# Altium PCB LH-RAM_OB_USB_A_V1.0(DY)20170519.PcbDoc (part 1 of 3) (continued)
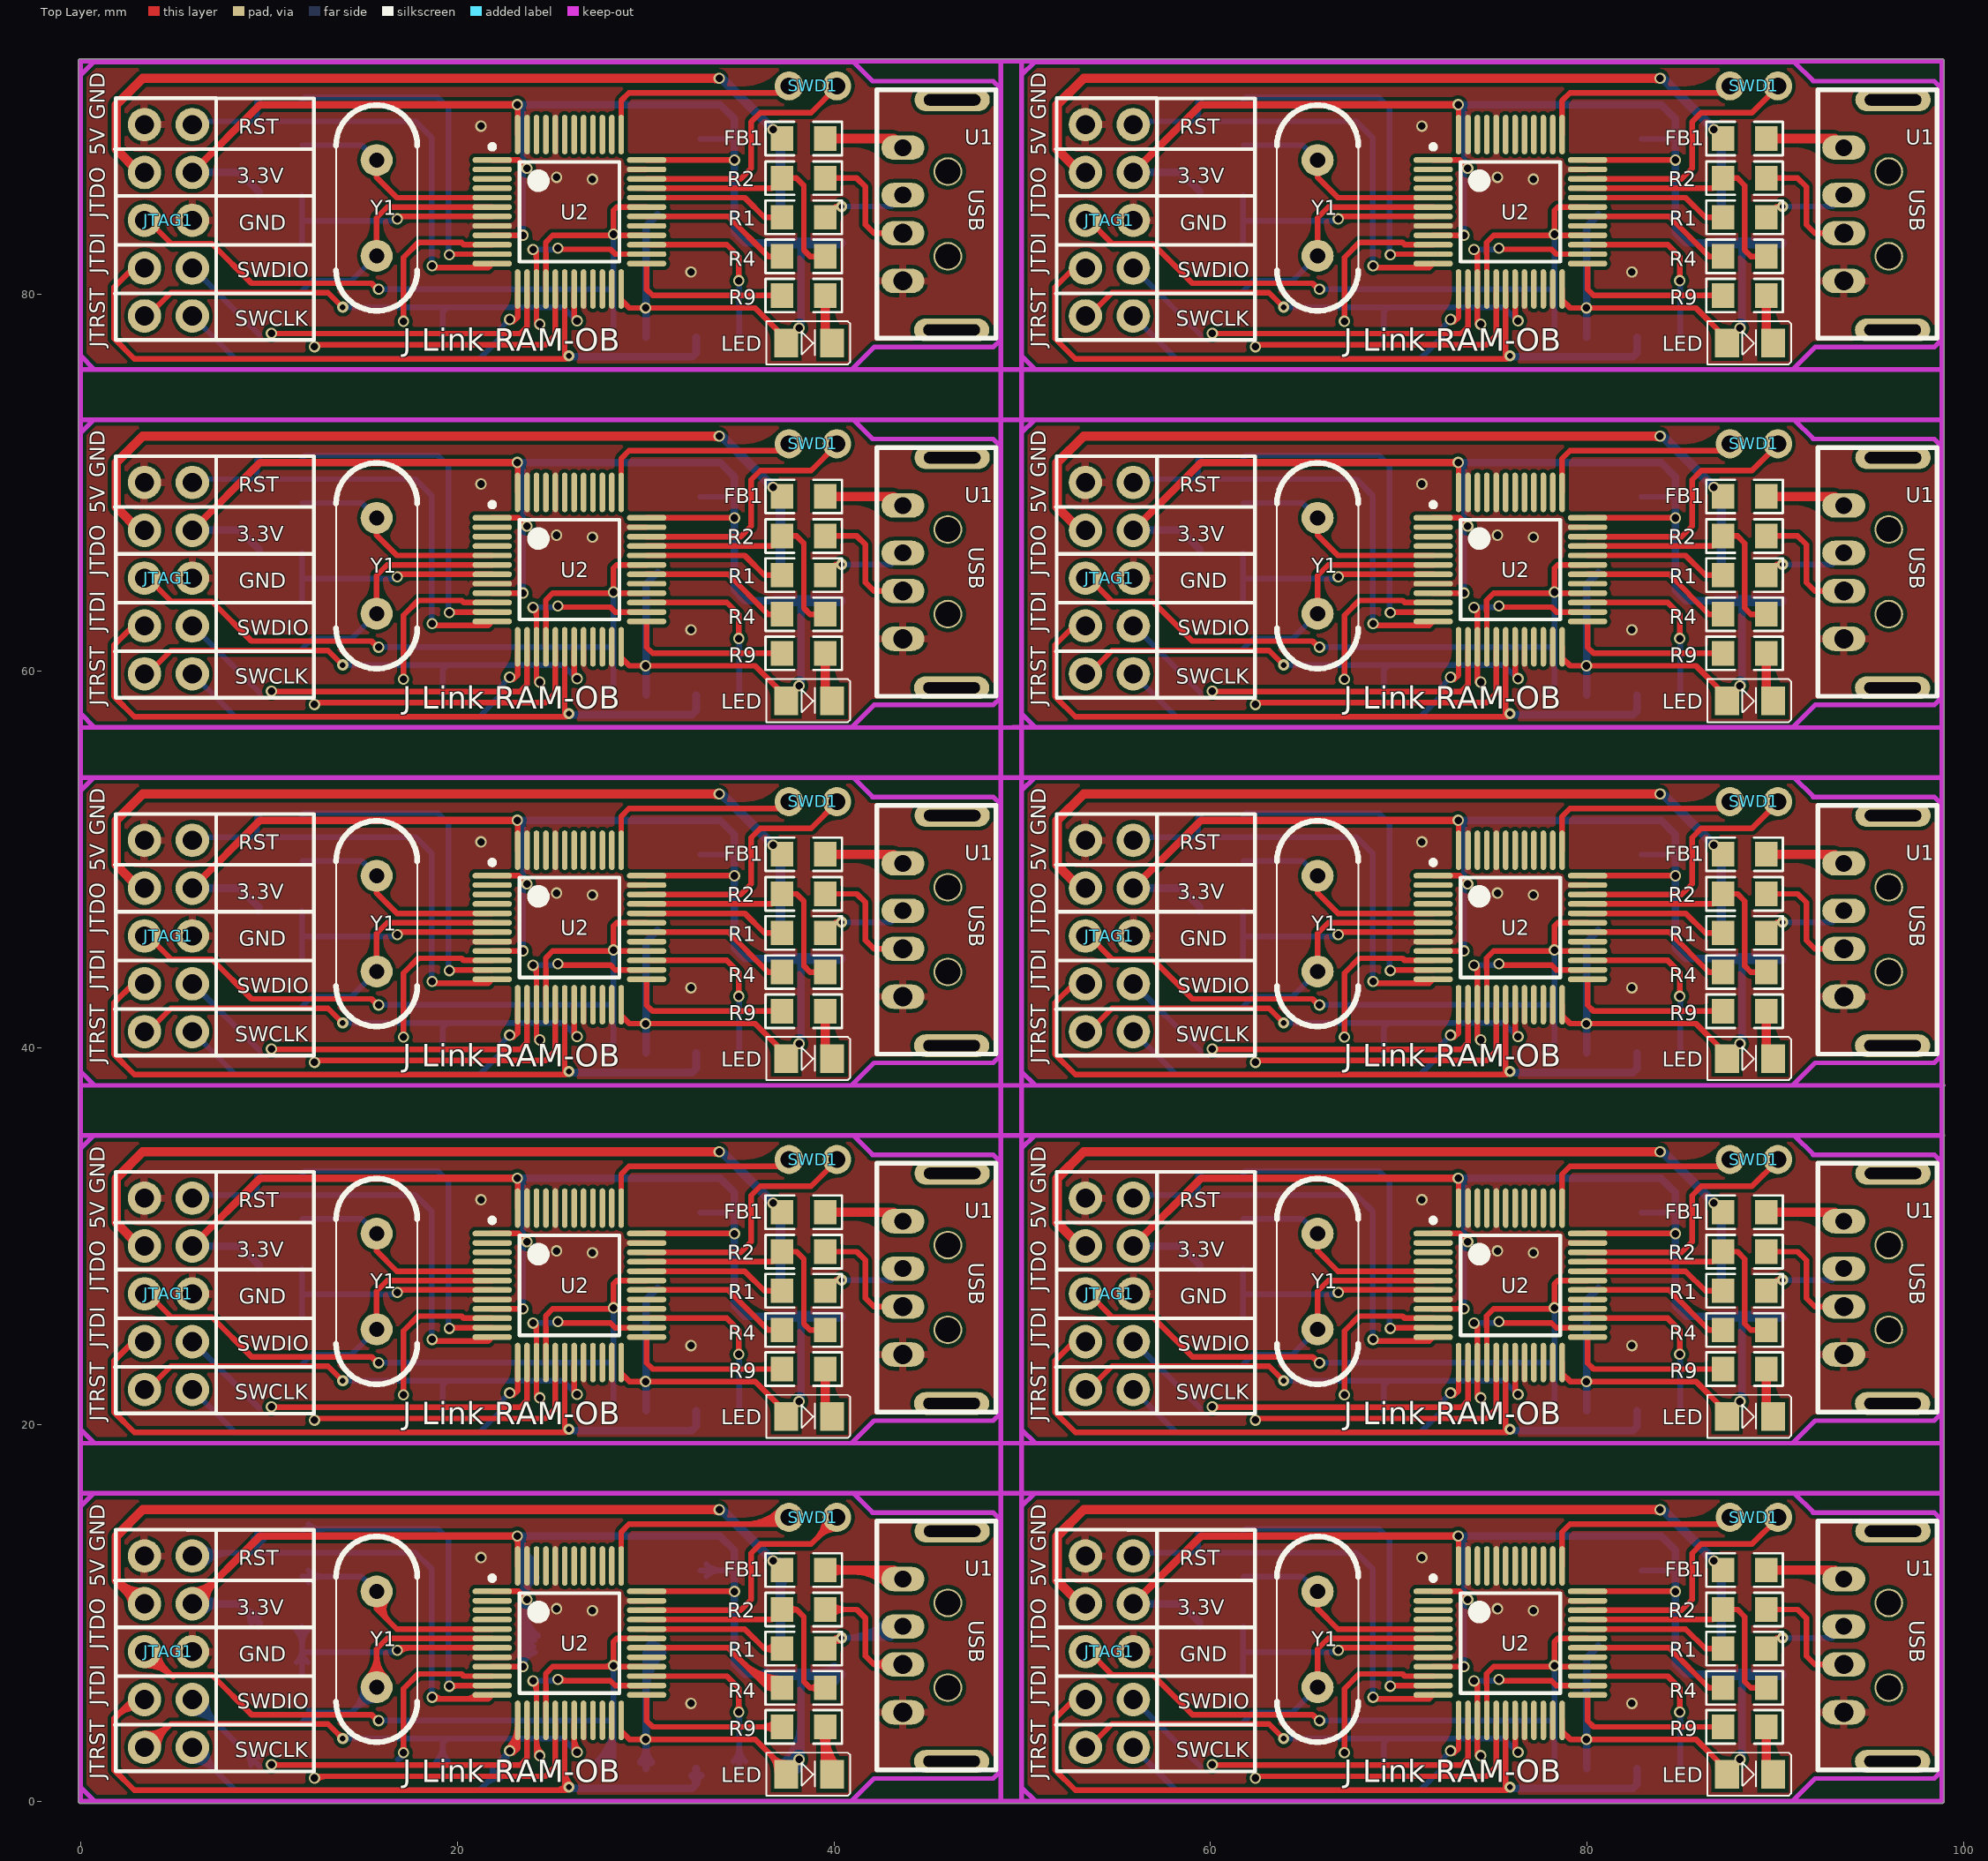
[diagram p0: Top Layer view]
## Components (designator, comment, footprint, x,y, rotation, side; value= is the part's Value field where it differs from the comment) (continued)
LED "LED0" LED0805 37.465,1.422 r0 top (schematic designator D1)
R1 "22R" R0805 89.502,8.09 r180 top
R1 "22R" R0805 89.502,27.089 r180 top
R1 "22R" R0805 89.502,46.089 r180 top
R1 "22R" R0805 89.502,65.089 r180 top
R1 "22R" R0805 89.502,84.089 r180 top
R1 "22R" R0805 39.54,84.089 r180 top
R1 "22R" R0805 39.54,65.089 r180 top
R1 "22R" R0805 39.54,46.089 r180 top
R1 "22R" R0805 39.54,27.089 r180 top
R1 "22R" R0805 39.54,8.09 r180 top
R2 "22R" R0805 89.502,10.166 r180 top
R2 "22R" R0805 89.502,29.166 r180 top
R2 "22R" R0805 89.502,48.166 r180 top
R2 "22R" R0805 89.502,67.166 r180 top
R2 "22R" R0805 89.502,86.166 r180 top
R2 "22R" R0805 39.54,86.166 r180 top
R2 "22R" R0805 39.54,67.166 r180 top
R2 "22R" R0805 39.54,48.166 r180 top
R2 "22R" R0805 39.54,29.166 r180 top
R2 "22R" R0805 39.54,10.166 r180 top
R3 "100R" R0805 66.878,1.727 r0 bottom
R3 "100R" R0805 66.878,20.726 r0 bottom
R3 "100R" R0805 66.878,39.726 r0 bottom
R3 "100R" R0805 66.878,58.726 r0 bottom
R3 "100R" R0805 66.878,77.726 r0 bottom
R3 "100R" R0805 16.916,77.726 r0 bottom
R3 "100R" R0805 16.916,58.726 r0 bottom
R3 "100R" R0805 16.916,39.726 r0 bottom
R3 "100R" R0805 16.916,20.726 r0 bottom
R3 "100R" R0805 16.916,1.727 r0 bottom
R4 "2K" R0805 87.216,6.013 r0 top
R4 "2K" R0805 87.216,25.013 r0 top
R4 "2K" R0805 87.216,44.013 r0 top
R4 "2K" R0805 87.216,63.013 r0 top
R4 "2K" R0805 87.216,82.013 r0 top
R4 "2K" R0805 37.254,82.013 r0 top
R4 "2K" R0805 37.254,63.013 r0 top
R4 "2K" R0805 37.254,44.013 r0 top
R4 "2K" R0805 37.254,25.013 r0 top
R4 "2K" R0805 37.254,6.013 r0 top
R5 "100R" R0805 61.747,14.326 r180 bottom
R5 "100R" R0805 61.747,33.325 r180 bottom
R5 "100R" R0805 61.747,52.325 r180 bottom
R5 "100R" R0805 61.747,71.325 r180 bottom
R5 "100R" R0805 61.747,90.325 r180 bottom
R5 "100R" R0805 11.786,90.325 r180 bottom
R5 "100R" R0805 11.786,71.325 r180 bottom
R5 "100R" R0805 11.786,52.325 r180 bottom
R5 "100R" R0805 11.786,33.325 r180 bottom
R5 "100R" R0805 11.786,14.326 r180 bottom
R6 "100R" R0805 74.574,1.727 r180 bottom
R6 "100R" R0805 74.574,20.726 r180 bottom
R6 "100R" R0805 74.574,39.726 r180 bottom
R6 "100R" R0805 74.574,58.726 r180 bottom
R6 "100R" R0805 74.574,77.726 r180 bottom
R6 "100R" R0805 24.613,77.726 r180 bottom
R6 "100R" R0805 24.613,58.726 r180 bottom
R6 "100R" R0805 24.613,39.726 r180 bottom
R6 "100R" R0805 24.613,20.726 r180 bottom
R6 "100R" R0805 24.613,1.727 r180 bottom
R7 "100R" R0805 61.747,1.854 r180 bottom
R7 "100R" R0805 61.747,20.853 r180 bottom
R7 "100R" R0805 61.747,39.853 r180 bottom
R7 "100R" R0805 61.747,58.853 r180 bottom
R7 "100R" R0805 61.747,77.853 r180 bottom
R7 "100R" R0805 11.786,77.853 r180 bottom
R7 "100R" R0805 11.786,58.853 r180 bottom
R7 "100R" R0805 11.786,39.853 r180 bottom
R7 "100R" R0805 11.786,20.853 r180 bottom
R7 "100R" R0805 11.786,1.854 r180 bottom
R8 "10K" R0805 61.722,9.449 r180 bottom
R8 "10K" R0805 61.722,28.448 r180 bottom
R8 "10K" R0805 61.722,47.448 r180 bottom
R8 "10K" R0805 61.722,66.448 r180 bottom
R8 "10K" R0805 61.722,85.448 r180 bottom
R8 "10K" R0805 11.76,85.448 r180 bottom
R8 "10K" R0805 11.76,66.448 r180 bottom
R8 "10K" R0805 11.76,47.448 r180 bottom
R8 "10K" R0805 11.76,28.448 r180 bottom
R8 "10K" R0805 11.76,9.449 r180 bottom
R9 "330R" R0805 87.216,3.937 r0 top
R9 "330R" R0805 87.216,22.936 r0 top
R9 "330R" R0805 87.216,41.936 r0 top
R9 "330R" R0805 87.216,60.936 r0 top
R9 "330R" R0805 87.216,79.936 r0 top
R9 "330R" R0805 37.254,79.936 r0 top
R9 "330R" R0805 37.254,60.936 r0 top
R9 "330R" R0805 37.254,41.936 r0 top
R9 "330R" R0805 37.254,22.936 r0 top
R9 "330R" R0805 37.254,3.937 r0 top
R10 "100R" R0805 84.938,1.727 r180 bottom
R10 "100R" R0805 84.938,20.726 r180 bottom
R10 "100R" R0805 84.938,39.726 r180 bottom
R10 "100R" R0805 84.938,58.726 r180 bottom
R10 "100R" R0805 84.938,77.726 r180 bottom
R10 "100R" R0805 34.976,77.726 r180 bottom
R10 "100R" R0805 34.976,58.726 r180 bottom
R10 "100R" R0805 34.976,39.726 r180 bottom
R10 "100R" R0805 34.976,20.726 r180 bottom
R10 "100R" R0805 34.976,1.727 r180 bottom
R11 "10K" R0805 77.699,1.727 r0 bottom
R11 "10K" R0805 77.699,20.726 r0 bottom
R11 "10K" R0805 77.699,39.726 r0 bottom
R11 "10K" R0805 77.699,58.726 r0 bottom
R11 "10K" R0805 77.699,77.726 r0 bottom
R11 "10K" R0805 27.737,77.726 r0 bottom
R11 "10K" R0805 27.737,58.726 r0 bottom
R11 "10K" R0805 27.737,39.726 r0 bottom
R11 "10K" R0805 27.737,20.726 r0 bottom
R11 "10K" R0805 27.737,1.727 r0 bottom
SWD1 "SWD" F2.54-2P 90.119,15.062 r180 top
SWD1 "SWD" F2.54-2P 90.119,34.061 r180 top
SWD1 "SWD" F2.54-2P 90.119,53.061 r180 top
SWD1 "SWD" F2.54-2P 90.119,72.061 r180 top
SWD1 "SWD" F2.54-2P 90.119,91.061 r180 top
SWD1 "SWD" F2.54-2P 40.157,91.061 r180 top
SWD1 "SWD" F2.54-2P 40.157,72.061 r180 top
SWD1 "SWD" F2.54-2P 40.157,53.061 r180 top
SWD1 "SWD" F2.54-2P 40.157,34.061 r180 top
SWD1 "SWD" F2.54-2P 40.157,15.062 r180 top
U1 "USB" USB_公 111.938,9.779 r180 top
U1 "USB" USB_公 111.938,28.778 r180 top
U1 "USB" USB_公 111.938,47.778 r180 top
U1 "USB" USB_公 111.938,66.778 r180 top
U1 "USB" USB_公 111.938,85.778 r180 top
U1 "USB" USB_公 61.976,85.778 r180 top
U1 "USB" USB_公 61.976,66.778 r180 top
U1 "USB" USB_公 61.976,47.778 r180 top
U1 "USB" USB_公 61.976,28.778 r180 top
U1 "USB" USB_公 61.976,9.779 r180 top
U2 "STM32F103C8" LQFP48_M 75.921,8.382 r0 top locked
U2 "STM32F103C8" LQFP48_M 75.921,27.381 r0 top locked
U2 "STM32F103C8" LQFP48_M 75.921,46.381 r0 top locked
U2 "STM32F103C8" LQFP48_M 75.921,65.381 r0 top locked
U2 "STM32F103C8" LQFP48_M 75.921,84.381 r0 top locked
U2 "STM32F103C8" LQFP48_M 25.959,84.381 r0 top locked
U2 "STM32F103C8" LQFP48_M 25.959,65.381 r0 top locked
U2 "STM32F103C8" LQFP48_M 25.959,46.381 r0 top locked
U2 "STM32F103C8" LQFP48_M 25.959,27.381 r0 top locked
U2 "STM32F103C8" LQFP48_M 25.959,8.382 r0 top locked
Y1 "8MHz" HC_49_11.2*4.7*3.6 65.684,11.125 r270 top
Y1 "8MHz" HC_49_11.2*4.7*3.6 65.684,30.124 r270 top
Y1 "8MHz" HC_49_11.2*4.7*3.6 65.684,49.124 r270 top
Y1 "8MHz" HC_49_11.2*4.7*3.6 65.684,68.124 r270 top
Y1 "8MHz" HC_49_11.2*4.7*3.6 65.684,87.124 r270 top
Y1 "8MHz" HC_49_11.2*4.7*3.6 15.723,87.124 r270 top
Y1 "8MHz" HC_49_11.2*4.7*3.6 15.723,68.124 r270 top
Y1 "8MHz" HC_49_11.2*4.7*3.6 15.723,49.124 r270 top
Y1 "8MHz" HC_49_11.2*4.7*3.6 15.723,30.124 r270 top
Y1 "8MHz" HC_49_11.2*4.7*3.6 15.723,11.125 r270 top

## Footprints (in the part's own frame and the unit in brackets; to place one, negate y for a bottom-side part, rotate by r counter-clockwise, add the part's x,y. Pads: shape width x height; smd on the part's side, far side on the other; paste and mask are expansions set on the pad)
C0805 [mm]
  rect 1.2x1.3 smd: 1(2.29,-0.019) 2(0.004,-0.019)
  silkscreen extent -0.89,-0.89 3.17,0.89
F2.54-2*5 [mil]
  round 70 hole 40: 1(0,0) 2(0,100) 3(100,0) 4(100,100) 5(200,0) 6(200,100) 7(300,0) 8(300,100) 9(400,0) 10(400,100)
  silkscreen extent -50,-50 455,160
F2.54-2P [mil]
  oval 60x60.63 hole 35: 1(0,0) 2(100,0)
HC_49_11.2*4.7*3.6 [mm]
  round 1.7 hole 0.8: 1(5.08,0) 2(0,0)
  silkscreen extent -2.92,-2.16 8,2.16
LED0805 [mil]
  rect 50x60 smd: 1(0,0) 2(96,0)
  silkscreen extent -41,-45 134,45
LQFP48_M [mm]
  oval 2.1x0.3 smd: 1(-4.1,2.75) 2(-4.1,2.25) 3(-4.1,1.75) 4(-4.1,1.25) 5(-4.1,0.75) 6(-4.1,0.25) 7(-4.1,-0.25) 8(-4.1,-0.75) 9(-4.1,-1.25) 10(-4.1,-1.75) 11(-4.1,-2.25) 12(-4.1,-2.75) 25(4.1,-2.75) 26(4.1,-2.25) 27(4.1,-1.75) 28(4.1,-1.25) 29(4.1,-0.75) 30(4.1,-0.25) 31(4.1,0.25) 32(4.1,0.75) 33(4.1,1.25) 34(4.1,1.75) 35(4.1,2.25) 36(4.1,2.75)
  oval 0.3x2.1 smd: 13(-2.75,-4.1) 14(-2.25,-4.1) 15(-1.75,-4.1) 16(-1.25,-4.1) 17(-0.75,-4.1) 18(-0.25,-4.1) 19(0.25,-4.1) 20(0.75,-4.1) 21(1.25,-4.1) 22(1.75,-4.1) 23(2.25,-4.1) 24(2.75,-4.1) 37(2.75,4.1) 38(2.25,4.1) 39(1.75,4.1) 40(1.25,4.1) 41(0.75,4.1) 42(0.25,4.1) 43(-0.25,4.1) 44(-0.75,4.1) 45(-1.25,4.1) 46(-1.75,4.1) 47(-2.25,4.1) 48(-2.75,4.1)
  silkscreen extent -4.22,-2.65 2.65,3.57
R0805 [mm]
  rect 1.2x1.3 smd: 1(0,0) 2(2.286,0)
  silkscreen extent -0.89,-0.89 3.17,0.89
SOT-89 [mil] "ASM1117"
  rect 34x59.06 smd: 1(-60,-180) 2(0,-180) 3(60,-180)
  rect 80x60 smd: 4(0,-45)
  silkscreen extent -80,-140 80,-47
USB_公 [mil]
  oval 90x51 hole 35.43: 1(721,-79) 2(721,20)
  oval 90x51 hole 40: 3(720.96,99.61) 4(720.96,199.61)
  oval 157.48x47.24 hole 23.62 slot 118.11 at 0 deg: ""(618,-179) ""(619,302)
  round 60 hole 52: ""(627,-29) ""(627,148)
  silkscreen extent 526,-200 775,320

## Part data
ASM1 ASM1 ASM1 ASM1 ASM1 ASM1 ASM1 ASM1 ASM1 ASM1: library part VOLTREG1
C1 C1 C1 C1 C1 C1 C1 C1 C1 C1 C2 C2 C2 C2 C2 C2 C2 C2 C2 C2 C3 C3 C3 C3 C3 C3 C3 C3 C3 C3 C4 C4 C4 C4 C4 C4 C4 C4 C4 C4 C5 C5 C5 C5 C5 C5 C5 C5 C5 C5 C6 C6 C6 C6 C6 C6 C6 C6 C6 C6 C7 C7 C7 C7 C7 C7 C7 C7 C7 C7 C8 C8 C8 C8 C8 C8 C8 C8 C8 C8 C9 C9 C9 C9 C9 C9 C9 C9 C9 C9: library part Cap, "Capacitor"
FB1 FB1 FB1 FB1 FB1 FB1 FB1 FB1 FB1 FB1 R1 R1 R1 R1 R1 R1 R1 R1 R1 R1 R2 R2 R2 R2 R2 R2 R2 R2 R2 R2 R3 R3 R3 R3 R3 R3 R3 R3 R3 R3 R4 R4 R4 R4 R4 R4 R4 R4 R4 R4 R5 R5 R5 R5 R5 R5 R5 R5 R5 R5 R6 R6 R6 R6 R6 R6 R6 R6 R6 R6 R7 R7 R7 R7 R7 R7 R7 R7 R7 R7 R8 R8 R8 R8 R8 R8 R8 R8 R8 R8 R9 R9 R9 R9 R9 R9 R9 R9 R9 R9 R10 R10 R10 R10 R10 R10 R10 R10 R10 R10 R11 R11 R11 R11 R11 R11 R11 R11 R11 R11: library part Res2, "Resistor"
JTAG1 JTAG1 JTAG1 JTAG1 JTAG1 JTAG1 JTAG1 JTAG1 JTAG1 JTAG1: "Header, 5-Pin, Dual row"
LED LED LED LED LED LED LED LED LED LED: "Typical INFRARED GaAs LED"
SWD1 SWD1 SWD1 SWD1 SWD1 SWD1 SWD1 SWD1 SWD1 SWD1: library part "Header 2", "Header, 2-Pin"
Y1 Y1 Y1 Y1 Y1 Y1 Y1 Y1 Y1 Y1: library part XTAL, "Crystal Oscillator"

## Via types
v1: diameter 0.6, hole 0.4, Top Layer to Bottom Layer, 260 vias
v2: diameter 0.6, hole 0.3, Top Layer to Bottom Layer, 30 vias

## Nets (pads, with @x,y where several pads share a name; then routed paths per layer and width w, separated by ;. In a path a pad name is that pad's centre, name@x,y a point inside that pad or via, vN(x,y) a via of type N, cw(c..) or ccw(c..) an arc to the next point about the centre after c; other vN are vias at no path point)
3V3: ASM1.2 ASM1.4 C2.2 C6.2 C7.2 C8.2 C9.2 JTAG1.7 LED.1 R8.2 R11.2 U2.1 U2.9 U2.24 U2.36 U2.48 | length 958.3
  Top Layer w0.3: U2.9@21.859,7.132 v1@23.464,7.132 ; U2.1@21.859,11.132 23.26,11.132 v1(23.698,10.693) ; U2.9@21.859,26.131 v1@23.464,26.131 ; U2.1@21.859,30.131 23.26,30.131 v1(23.698,29.693) ; U2.9@21.859,45.131 v1@23.464,45.131 ; U2.1@21.859,49.131 23.26,49.131 v1(23.698,48.693) ; U2.9@21.859,64.131 v1@23.464,64.131 ; U2.1@21.859,68.131 23.26,68.131 v1(23.698,67.693) ; U2.9@21.859,83.131 v1@23.464,83.131 ; U2.1@21.859,87.131 23.26,87.131 v1(23.698,86.693) ; v1@23.084,13.966 cw(c22.783,13.665) 23.209,13.665 ; 23.12,7.132 ccw(c23.12,7.513) v1@23.389,7.243 ; 23.146,7.132 cw(c23.146,6.788) v1@23.389,7.031 ; U2.48@23.209,12.482 v1@23.209,14.053 ; 23.209,13.754 cw(c23.507,13.754) v1@23.296,13.966 ; U2.48@23.209,31.481 v1@23.209,33.052 ; U2.48@23.209,50.481 v1@23.209,52.052 ; U2.48@23.209,69.481 v1@23.209,71.052 ; U2.48@23.209,88.481 v1@23.209,90.052 ; v1@23.548,10.693 ccw(c23.186,10.693) 23.442,10.949 ccw(c23.698,11.206) v1@23.698,10.843 ; U2.24@28.709,3.682 cw(c28.709,3.635) U2.24@28.742,3.668 ; U2.24@28.709,4.282 28.709,3.702 29.134,3.277 v1(29.997,3.277) 35.814,3.277 37.465,1.626 LED.1@37.465,1.422 ; U2.24@28.709,23.281 28.709,22.701 29.134,22.276 v1(29.997,22.276) 35.814,22.276 37.465,20.625 LED.1@37.465,20.422 ; U2.24@28.709,42.281 28.709,41.701 29.134,41.276 v1(29.997,41.276) 35.814,41.276 37.465,39.625 LED.1@37.465,39.422 ; U2.24@28.709,61.281 28.709,60.701 29.134,60.276 v1(29.997,60.276) 35.814,60.276 37.465,58.625 LED.1@37.465,58.422 ; U2.24@28.709,80.281 28.709,79.701 29.134,79.276 v1(29.997,79.276) 35.814,79.276 37.465,77.625 LED.1@37.465,77.422 ; v1@29.891,3.171 ccw(c29.635,2.914) 29.635,3.277 ccw(c29.635,3.639) v1@29.891,3.383 ; v1@30.103,3.171 cw(c30.36,2.914) 30.36,3.277 cw(c30.36,3.639) v1@30.103,3.383 ; 31.985,11.132 U2.36@30.059,11.132 33.376,11.132 ; 31.985,30.131 U2.36@30.059,30.131 33.376,30.131 ; 31.985,49.131 U2.36@30.059,49.131 33.376,49.131 ; 31.985,68.131 U2.36@30.059,68.131 33.376,68.131 ; 31.985,87.131 U2.36@30.059,87.131 33.376,87.131 ; 33.978,11.132 33.376,11.132 ; 33.978,30.131 33.376,30.131 ; 33.978,49.131 33.376,49.131 ; 33.978,68.131 33.376,68.131 ; 33.978,87.131 33.376,87.131 ; 34.343,11.132 cw(c34.343,10.747) v1@34.616,11.019 ; 34.376,11.132 ccw(c34.376,11.471) v1@34.616,11.231 ; v1(34.722,11.125) 34.715,11.132 33.376,11.132 ; v1(34.722,30.124) 34.715,30.131 33.376,30.131 ; v1(34.722,49.124) 34.715,49.131 33.376,49.131 ; v1(34.722,68.124) 34.715,68.131 33.376,68.131 ; v1(34.722,87.124) 34.715,87.131 33.376,87.131 ; 36.583,2.507 cw(c35.625,1.549) LED.1@36.98,1.549 ; 36.767,2.323 ccw(c37.465,3.021) LED.1@37.465,2.034 ; U2.9@71.821,7.132 v1@73.426,7.132 ; U2.1@71.821,11.132 73.221,11.132 v1(73.66,10.693) ; U2.9@71.821,26.131 v1@73.426,26.131 ; U2.1@71.821,30.131 73.221,30.131 v1(73.66,29.693) ; U2.9@71.821,45.131 v1@73.426,45.131 ; U2.1@71.821,49.131 73.221,49.131 v1(73.66,48.693) ; U2.9@71.821,64.131 v1@73.426,64.131 ; U2.1@71.821,68.131 73.221,68.131 v1(73.66,67.693) ; U2.9@71.821,83.131 v1@73.426,83.131 ; U2.1@71.821,87.131 73.221,87.131 v1(73.66,86.693) ; U2.48@73.171,12.482 v1@73.171,14.053 ; U2.48@73.171,31.481 v1@73.171,33.052 ; U2.48@73.171,50.481 v1@73.171,52.052 ; U2.48@73.171,69.481 v1@73.171,71.052 ; U2.48@73.171,88.481 v1@73.171,90.052 ; U2.24@78.671,4.282 78.671,3.702 79.096,3.277 v1(79.959,3.277) 85.776,3.277 87.427,1.626 LED.1@87.427,1.422 ; U2.24@78.671,23.281 78.671,22.701 79.096,22.276 v1(79.959,22.276) 85.776,22.276 87.427,20.625 LED.1@87.427,20.422 ; U2.24@78.671,42.281 78.671,41.701 79.096,41.276 v1(79.959,41.276) 85.776,41.276 87.427,39.625 LED.1@87.427,39.422 ; U2.24@78.671,61.281 78.671,60.701 79.096,60.276 v1(79.959,60.276) 85.776,60.276 87.427,58.625 LED.1@87.427,58.422 ; U2.24@78.671,80.281 78.671,79.701 79.096,79.276 v1(79.959,79.276) 85.776,79.276 87.427,77.625 LED.1@87.427,77.422 ; 81.947,11.132 U2.36@80.021,11.132 83.337,11.132 ; 81.947,30.131 U2.36@80.021,30.131 83.337,30.131 ; 81.947,49.131 U2.36@80.021,49.131 83.337,49.131 ; 81.947,68.131 U2.36@80.021,68.131 83.337,68.131 ; 81.947,87.131 U2.36@80.021,87.131 83.337,87.131 ; 83.94,11.132 83.337,11.132 ; 83.94,30.131 83.337,30.131 ; 83.94,49.131 83.337,49.131 ; 83.94,68.131 83.337,68.131 ; 83.94,87.131 83.337,87.131 ; v1(84.684,11.125) 84.677,11.132 83.337,11.132 ; v1(84.684,30.124) 84.677,30.131 83.337,30.131 ; v1(84.684,49.124) 84.677,49.131 83.337,49.131 ; v1(84.684,68.124) 84.677,68.131 83.337,68.131 ; v1(84.684,87.124) 84.677,87.131 83.337,87.131
  Top Layer w0.4: JTAG1.7@5.934,10.47 9.535,14.072 v1(23.19,14.072) ; JTAG1.7@5.934,11.159 ccw(c5.934,12.823) 7.11,11.646 ccw(c8.286,10.47) JTAG1.7@6.623,10.47 ; JTAG1.7@5.934,29.469 9.535,33.071 v1(23.19,33.071) ; JTAG1.7@5.934,48.469 9.535,52.071 v1(23.19,52.071) ; JTAG1.7@5.934,67.469 9.535,71.071 v1(23.19,71.071) ; JTAG1.7@5.934,86.469 9.535,90.071 v1(23.19,90.071) ; v1@38.151,2.134 v1(38.151,2.21) ; v1@38.151,21.133 v1(38.151,21.209) ; v1@38.151,40.133 v1(38.151,40.209) ; v1@38.151,59.133 v1(38.151,59.209) ; v1@38.151,78.133 v1(38.151,78.209) ; JTAG1.7@55.896,10.47 59.497,14.072 v1(73.152,14.072) ; JTAG1.7@55.896,29.469 59.497,33.071 v1(73.152,33.071) ; JTAG1.7@55.896,48.469 59.497,52.071 v1(73.152,52.071) ; JTAG1.7@55.896,67.469 59.497,71.071 v1(73.152,71.071) ; JTAG1.7@55.896,86.469 59.497,90.071 v1(73.152,90.071) ; v1@88.113,2.134 v1(88.113,2.21) ; v1@88.113,21.133 v1(88.113,21.209) ; v1@88.113,40.133 v1(88.113,40.209) ; v1@88.113,59.133 v1(88.113,59.209) ; v1@88.113,78.133 v1(88.113,78.209)
  Bottom Layer w0.3: R8.2@9.439,9.226 R8.2@9.474,9.261 ; R8.2@9.439,28.225 R8.2@9.474,28.26 ; R8.2@9.439,47.225 R8.2@9.474,47.26 ; R8.2@9.439,66.225 R8.2@9.474,66.26 ; R8.2@9.439,85.225 R8.2@9.474,85.26 ; v1@23.084,13.966 cw(c22.092,12.974) 23.495,12.974 ; v1(23.19,14.072) 23.495,13.767 ; v1(23.19,33.071) 23.495,32.766 C7.2@23.495,31.286 ; v1(23.19,52.071) 23.495,51.766 C7.2@23.495,50.286 ; v1(23.19,71.071) 23.495,70.766 C7.2@23.495,69.286 ; v1(23.19,90.071) 23.495,89.766 C7.2@23.495,88.286 ; v1@23.296,14.178 cw(c22.816,13.698) 23.495,13.698 ; v1@23.389,7.243 ccw(c23.133,7.5) 23.495,7.5 ccw(c23.857,7.5) v1@23.601,7.243 ; v1@23.495,7.032 cw(c24.395,7.032) C6.2@24.136,7.894 ; v1(23.495,7.137) v1@23.495,10.541 ; v1@23.495,7.436 cw(c24.274,7.436) C6.2@24.05,8.182 ; C6.2@23.495,7.839 cw(c24.153,7.839) C6.2@23.963,8.469 ; 23.495,9.221 ccw(c24.701,9.221) C6.2@23.908,8.312 ; 23.495,9.841 cw(c24.551,9.841) v1@23.804,10.587 ; 23.495,9.881 ccw(c25.277,9.881) C6.2@24.105,8.538 ; 23.495,10.466 cw(c25.157,10.466) C7.2@24.252,11.859 ; 23.495,11.018 cw(c24.798,11.018) C7.2@24.088,12.111 ; 23.495,11.546 ccw(c24.551,11.546) v1@23.804,10.799 ; 23.495,11.571 cw(c24.439,11.571) C7.2@23.925,12.363 ; C7.2@23.495,12.261 v1@23.495,10.541 ; C7.2@23.495,12.287 23.495,13.767 ; C7.2@23.495,12.874 ccw(c24.226,12.874) C7.2@23.95,12.198 ; 23.495,13.321 ccw(c24.407,13.321) C7.2@24.063,12.476 ; v1(23.495,26.137) v1@23.495,29.54 ; C7.2@23.495,31.261 v1@23.495,29.54 ; v1(23.495,45.137) v1@23.495,48.54 ; C7.2@23.495,50.261 v1@23.495,48.54 ; v1(23.495,64.137) v1@23.495,67.54 ; C7.2@23.495,69.261 v1@23.495,67.54 ; v1(23.495,83.137) v1@23.495,86.54 ; C7.2@23.495,88.261 v1@23.495,86.54 ; v1@23.647,10.693 v1@23.495,10.541 ; v1@23.647,29.693 v1@23.495,29.54 ; v1@23.647,48.693 v1@23.495,48.54 ; v1@23.647,67.693 v1@23.495,67.54 ; v1@23.647,86.693 v1@23.495,86.54 ; C7.2@24.176,12.754 cw(c24.589,13.767) 23.495,13.767 ; C6.2@24.302,8.764 cw(c25.853,10.541) v1@23.495,10.541 ; C8.2@32.911,12.25 34.639,12.25 34.722,12.167 ; C8.2@32.911,31.249 34.639,31.249 34.722,31.166 ; C8.2@32.911,50.249 34.639,50.249 34.722,50.166 ; C8.2@32.911,69.249 34.639,69.249 34.722,69.166 ; C8.2@32.911,88.249 34.639,88.249 34.722,88.166 ; C8.2@33.229,11.931 cw(c33.997,11.163) 33.997,12.25 cw(c33.997,13.336) C8.2@33.229,12.568 ; R8.2@59.401,9.226 R8.2@59.436,9.261 ; R8.2@59.401,28.225 R8.2@59.436,28.26 ; R8.2@59.401,47.225 R8.2@59.436,47.26 ; R8.2@59.401,66.225 R8.2@59.436,66.26 ; R8.2@59.401,85.225 R8.2@59.436,85.26 ; v1(73.152,14.072) 73.457,13.767 C7.2@73.457,12.287 ; v1(73.152,33.071) 73.457,32.766 C7.2@73.457,31.286 ; v1(73.152,52.071) 73.457,51.766 C7.2@73.457,50.286 ; v1(73.152,71.071) 73.457,70.766 C7.2@73.457,69.286 ; v1(73.152,90.071) 73.457,89.766 C7.2@73.457,88.286 ; v1(73.457,7.137) v1@73.457,10.541 ; C7.2@73.457,12.261 v1@73.457,10.541 ; v1(73.457,26.137) v1@73.457,29.54 ; C7.2@73.457,31.261 v1@73.457,29.54 ; v1(73.457,45.137) v1@73.457,48.54 ; C7.2@73.457,50.261 v1@73.457,48.54 ; v1(73.457,64.137) v1@73.457,67.54 ; C7.2@73.457,69.261 v1@73.457,67.54 ; v1(73.457,83.137) v1@73.457,86.54 ; C7.2@73.457,88.261 v1@73.457,86.54 ; v1@73.609,10.693 v1@73.457,10.541 ; v1@73.609,29.693 v1@73.457,29.54 ; v1@73.609,48.693 v1@73.457,48.54 ; v1@73.609,67.693 v1@73.457,67.54 ; v1@73.609,86.693 v1@73.457,86.54 ; C8.2@82.873,12.25 84.601,12.25 84.684,12.167 ; C8.2@82.873,31.249 84.601,31.249 84.684,31.166 ; C8.2@82.873,50.249 84.601,50.249 84.684,50.166 ; C8.2@82.873,69.249 84.601,69.249 84.684,69.166 ; C8.2@82.873,88.249 84.601,88.249 84.684,88.166
  Bottom Layer w0.4: JTAG1.7@5.934,10.47 8.453,10.47 R8.2@9.474,9.449 ; JTAG1.7@5.934,29.469 8.453,29.469 R8.2@9.474,28.448 ; JTAG1.7@5.934,48.469 8.453,48.469 R8.2@9.474,47.448 ; JTAG1.7@5.934,67.469 8.453,67.469 R8.2@9.474,66.448 ; JTAG1.7@5.934,86.469 8.453,86.469 R8.2@9.474,85.448 ; JTAG1.7@6.334,10.47 JTAG1.7@6.655,10.47 ; JTAG1.7@6.334,29.469 JTAG1.7@6.655,29.469 ; JTAG1.7@6.334,48.469 JTAG1.7@6.655,48.469 ; JTAG1.7@6.334,67.469 JTAG1.7@6.655,67.469 ; JTAG1.7@6.334,86.469 JTAG1.7@6.655,86.469 ; JTAG1.7@6.421,9.983 cw(c7.597,8.807) 7.597,10.47 cw(c7.597,12.134) JTAG1.7@6.421,10.957 ; 8.706,10.217 ccw(c9.474,10.985) R8.2@9.474,9.899 ; 8.827,10.096 cw(c8.229,9.499) R8.2@9.074,9.499 ; v1(23.19,14.072) 33.96,14.072 34.722,13.31 34.722,12.167 v1(34.722,11.125) 34.722,7.29 35.281,6.731 ASM1.2@36.906,6.731 ; v1(23.19,33.071) 33.96,33.071 34.722,32.309 34.722,31.166 v1(34.722,30.124) 34.722,26.289 35.281,25.73 ASM1.2@36.906,25.73 ; v1(23.19,52.071) 33.96,52.071 34.722,51.309 34.722,50.166 v1(34.722,49.124) 34.722,45.289 35.281,44.73 ASM1.2@36.906,44.73 ; v1(23.19,71.071) 33.96,71.071 34.722,70.309 34.722,69.166 v1(34.722,68.124) 34.722,64.289 35.281,63.73 ASM1.2@36.906,63.73 ; v1(23.19,90.071) 33.96,90.071 34.722,89.309 34.722,88.166 v1(34.722,87.124) 34.722,83.289 35.281,82.73 ASM1.2@36.906,82.73 ; R11.2@29.74,2.06 ccw(c29.057,2.743) 30.023,2.743 ccw(c30.988,2.743) R11.2@30.306,2.06 ; v1@29.927,3.206 cw(c29.695,2.974) 30.023,2.974 ; v1@29.927,3.347 ccw(c29.695,3.579) 30.023,3.579 ; R11.2@30.023,1.727 30.023,7.614 C9.2@30.632,8.223 ; 30.023,5.736 cw(c33.069,5.736) C9.2@30.915,7.89 ; 30.023,6.702 cw(c32.103,6.702) C9.2@30.632,8.173 ; 30.023,7.668 cw(c31.137,7.668) C9.2@30.349,8.456 ; R11.2@30.023,20.726 30.023,26.613 C9.2@30.632,27.222 ; R11.2@30.023,39.726 30.023,45.613 C9.2@30.632,46.222 ; R11.2@30.023,58.726 30.023,64.613 C9.2@30.632,65.222 ; R11.2@30.023,77.726 30.023,83.613 C9.2@30.632,84.222 ; ASM1.2@36.424,6.567 ccw(c36.028,6.171) 36.028,6.731 ccw(c36.028,7.291) ASM1.2@36.424,6.895 ; C2.2@37.363,2.079 ccw(c35.217,4.225) 38.252,4.225 ; C2.2@37.646,1.416 37.646,1.705 C2.2@37.667,1.726 ; C2.2@37.646,1.746 38.252,2.352 38.252,6.68 38.202,6.731 ; C2.2@37.646,1.796 ccw(c36.183,3.259) 38.252,3.259 ; C2.2@37.646,20.415 37.646,20.705 C2.2@37.667,20.725 ; C2.2@37.646,20.745 38.252,21.351 38.252,25.679 38.202,25.73 ; C2.2@37.646,39.415 37.646,39.705 C2.2@37.667,39.725 ; C2.2@37.646,39.745 38.252,40.351 38.252,44.679 38.202,44.73 ; C2.2@37.646,58.415 37.646,58.705 C2.2@37.667,58.725 ; C2.2@37.646,58.745 38.252,59.351 38.252,63.679 38.202,63.73 ; C2.2@37.646,77.415 37.646,77.705 C2.2@37.667,77.725 ; C2.2@37.646,77.745 38.252,78.351 38.252,82.679 38.202,82.73 ; C2.2@37.911,2.01 cw(c38.151,1.771) C2.2@38.151,2.11 ; C2.2@37.929,1.513 ccw(c37.149,2.293) v1@38.252,2.293 ; C2.2@38.08,2.281 ccw(c37.664,2.697) 38.252,2.697 ; JTAG1.7@55.896,10.47 58.415,10.47 R8.2@59.436,9.449 ; JTAG1.7@55.896,29.469 58.415,29.469 R8.2@59.436,28.448 ; JTAG1.7@55.896,48.469 58.415,48.469 R8.2@59.436,47.448 ; JTAG1.7@55.896,67.469 58.415,67.469 R8.2@59.436,66.448 ; JTAG1.7@55.896,86.469 58.415,86.469 R8.2@59.436,85.448 ; JTAG1.7@56.296,10.47 JTAG1.7@56.617,10.47 ; JTAG1.7@56.296,29.469 JTAG1.7@56.617,29.469 ; JTAG1.7@56.296,48.469 JTAG1.7@56.617,48.469 ; JTAG1.7@56.296,67.469 JTAG1.7@56.617,67.469 ; JTAG1.7@56.296,86.469 JTAG1.7@56.617,86.469 ; v1(73.152,14.072) 83.922,14.072 84.684,13.31 84.684,12.167 v1(84.684,11.125) 84.684,7.29 85.242,6.731 ASM1.2@86.868,6.731 ; v1(73.152,33.071) 83.922,33.071 84.684,32.309 84.684,31.166 v1(84.684,30.124) 84.684,26.289 85.242,25.73 ASM1.2@86.868,25.73 ; v1(73.152,52.071) 83.922,52.071 84.684,51.309 84.684,50.166 v1(84.684,49.124) 84.684,45.289 85.242,44.73 ASM1.2@86.868,44.73 ; v1(73.152,71.071) 83.922,71.071 84.684,70.309 84.684,69.166 v1(84.684,68.124) 84.684,64.289 85.242,63.73 ASM1.2@86.868,63.73 ; v1(73.152,90.071) 83.922,90.071 84.684,89.309 84.684,88.166 v1(84.684,87.124) 84.684,83.289 85.242,82.73 ASM1.2@86.868,82.73 ; R11.2@79.985,1.727 79.985,7.614 C9.2@80.594,8.223 ; R11.2@79.985,20.726 79.985,26.613 C9.2@80.594,27.222 ; R11.2@79.985,39.726 79.985,45.613 C9.2@80.594,46.222 ; R11.2@79.985,58.726 79.985,64.613 C9.2@80.594,65.222 ; R11.2@79.985,77.726 79.985,83.613 C9.2@80.594,84.222 ; C2.2@87.608,1.416 87.608,1.705 C2.2@87.628,1.726 ; C2.2@87.608,1.746 88.214,2.352 88.214,6.68 88.163,6.731 ; C2.2@87.608,20.415 87.608,20.705 C2.2@87.628,20.725 ; C2.2@87.608,20.745 88.214,21.351 88.214,25.679 88.163,25.73 ; C2.2@87.608,39.415 87.608,39.705 C2.2@87.628,39.725 ; C2.2@87.608,39.745 88.214,40.351 88.214,44.679 88.163,44.73 ; C2.2@87.608,58.415 87.608,58.705 C2.2@87.628,58.725 ; C2.2@87.608,58.745 88.214,59.351 88.214,63.679 88.163,63.73 ; C2.2@87.608,77.415 87.608,77.705 C2.2@87.628,77.725 ; C2.2@87.608,77.745 88.214,78.351 88.214,82.679 88.163,82.73
  Bottom Layer w0.6: ASM1.2@36.906,6.731 38.202,6.731 ASM1.4@40.335,6.731 ; ASM1.2@36.906,25.73 38.202,25.73 ASM1.4@40.335,25.73 ; ASM1.2@36.906,44.73 38.202,44.73 ASM1.4@40.335,44.73 ; ASM1.2@36.906,63.73 38.202,63.73 ASM1.4@40.335,63.73 ; ASM1.2@36.906,82.73 38.202,82.73 ASM1.4@40.335,82.73 ; ASM1.4@40.009,6.404 ccw(c39.22,5.616) 39.22,6.731 ccw(c39.22,7.846) ASM1.4@40.009,7.058 ; ASM1.2@86.868,6.731 88.163,6.731 ASM1.4@90.297,6.731 ; ASM1.2@86.868,25.73 88.163,25.73 ASM1.4@90.297,25.73 ; ASM1.2@86.868,44.73 88.163,44.73 ASM1.4@90.297,44.73 ; ASM1.2@86.868,63.73 88.163,63.73 ASM1.4@90.297,63.73 ; ASM1.2@86.868,82.73 88.163,82.73 ASM1.4@90.297,82.73
GND: ASM1.1 C1.1 C2.1 C3.1 C4.1 C5.2 C6.1 C7.1 C8.1 C9.1 JTAG1.5 JTAG1.10 U1.4 U2.8 U2.20 U2.23 U2.35 U2.44 U2.47
  other v1: 32.41,5.182 82.372,5.182 27.178,10.109 77.14,10.109 25.273,10.211 75.235,10.211 21.26,12.929 71.222,12.929 32.41,24.181 82.372,24.181 27.178,29.108 77.14,29.108 25.273,29.21 75.235,29.21 21.26,31.928 71.222,31.928 32.41,43.181 82.372,43.181 27.178,48.108 77.14,48.108 25.273,48.21 75.235,48.21 21.26,50.928 71.222,50.928 32.41,62.181 82.372,62.181 27.178,67.108 77.14,67.108 25.273,67.21 75.235,67.21 21.26,69.928 71.222,69.928 32.41,81.181 82.372,81.181 27.178,86.108 77.14,86.108 25.273,86.21 75.235,86.21 21.26,88.928 71.222,88.928